# Altium PCB fpga.PcbDoc (part 10 of 11)
Units mm, origin at the board's own origin, x right, y up, seen from the top; angles counter-clockwise.
Board outline 210 x 210 mm, 2 copper layers (Top Layer, Bottom Layer), stack 1.591 mm thick; 639 components, 1839 nets, 4759 pads, 4016 vias.
Unrouted connection lines stored in the file: 10.
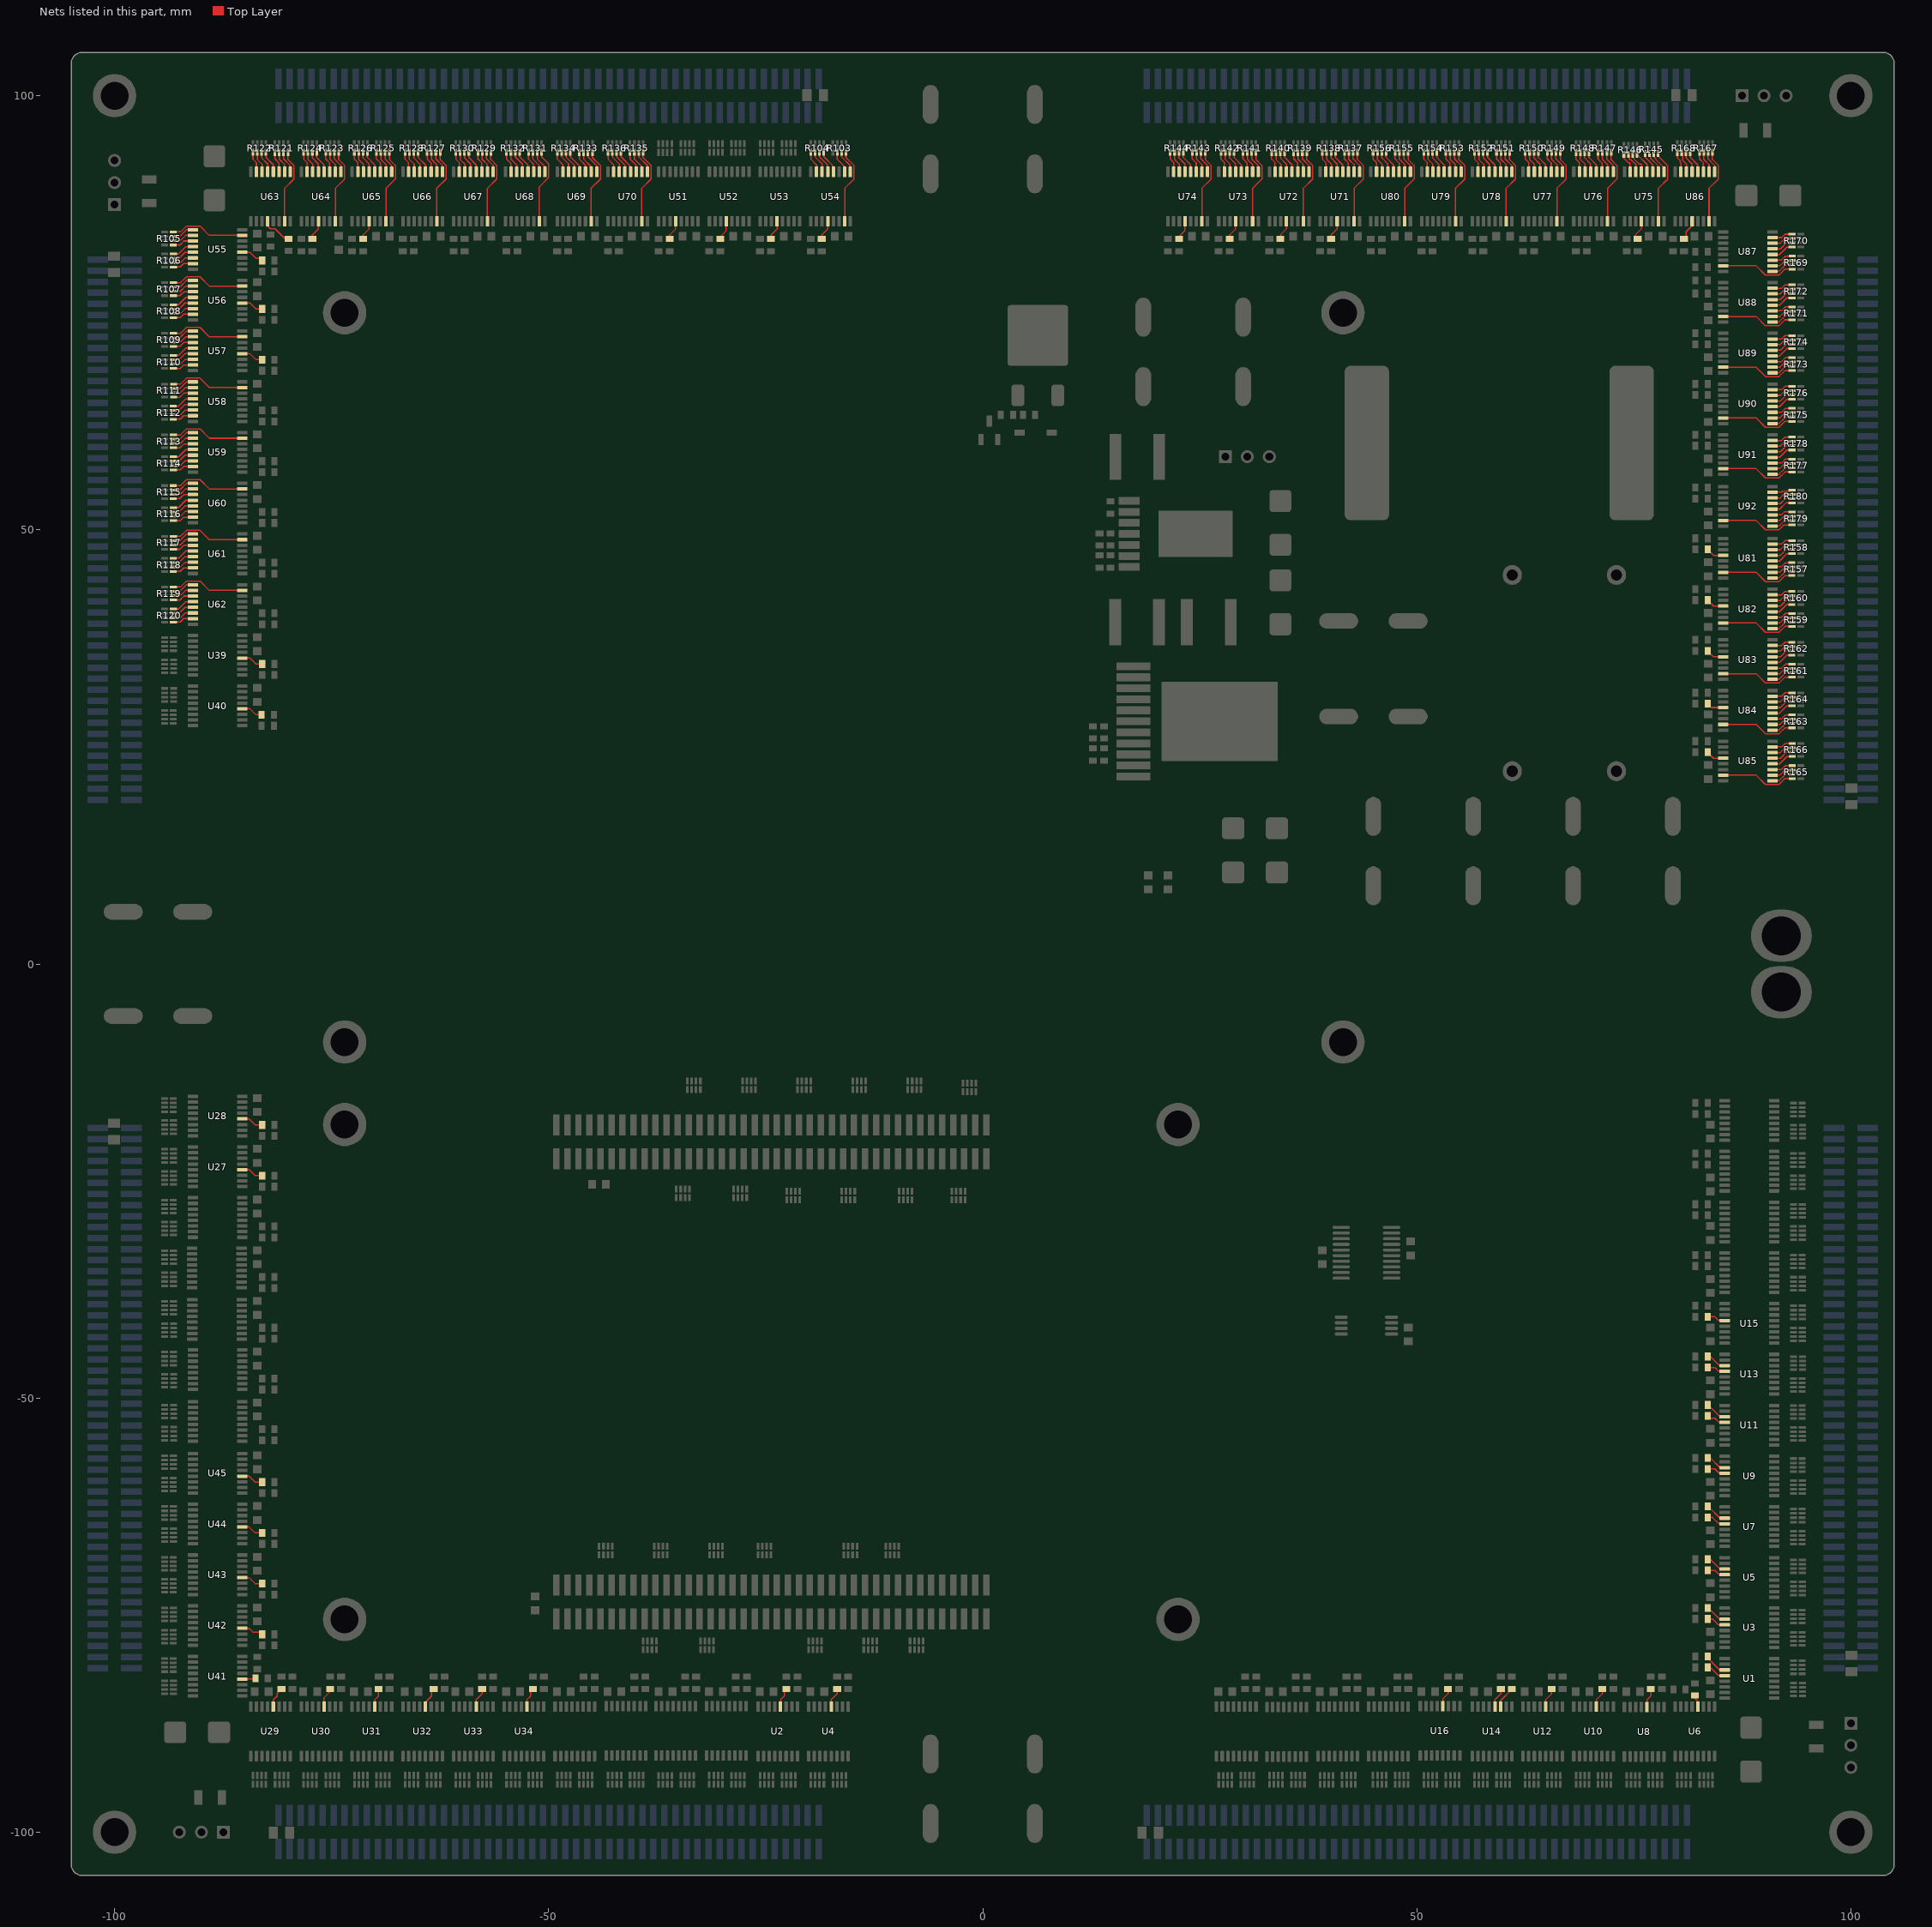
[diagram p10: the nets of this part, all layers, seen from the top]

## Via types
v1: diameter 0.6, hole 0.3, Top Layer to Bottom Layer, tented both sides, 3924 vias
v2: diameter 0.8, hole 0.4, Top Layer to Bottom Layer, tented both sides, 89 vias
v3: diameter 0.6, hole 0.3, Top Layer to Bottom Layer, 3 vias

## Nets (pads, with @x,y where several pads share a name; then routed paths per layer and width w, separated by ;. In a path a pad name is that pad's centre, name@x,y a point inside that pad or via, vN(x,y) a via of type N, cw(c..) or ccw(c..) an arc to the next point about the centre after c; other vN are vias at no path point) (continued)
NetR103_2: R103.2 U54.2 | length 2.6
  Top Layer w0.15: R103.2@-16.764,93.464 -16.764,92.71 -15.901,91.847 U54.2@-15.901,91.242
NetR103_3: R103.3 U54.1 | length 2.6
  Top Layer w0.15: R103.3@-16.256,93.472 -16.256,92.964 -15.24,91.948 U54.1@-15.24,91.253
NetR103_4: R103.4 U54.15 | length 8.8
  Top Layer w0.15: U54.15@-15.901,85.542 -15.901,89.342 -14.826,90.417 -14.826,91.958 -15.756,92.888 R103.4@-15.756,93.472
NetR104_1: R104.1 U54.7 | length 2.5
  Top Layer w0.15: R104.1@-19.796,93.488 -19.796,92.694 -19.151,92.049 U54.7@-19.151,91.242
NetR104_2: R104.2 U54.6 | length 2.6
  Top Layer w0.15: R104.2@-19.304,93.48 -19.304,92.964 -18.501,92.161 U54.6@-18.501,91.242
NetR104_3: R104.3 U54.5 | length 2.6
  Top Layer w0.15: R104.3@-18.796,93.488 -18.796,92.964 -17.851,92.019 U54.5@-17.851,91.242
NetR104_4: R104.4 U54.4 | length 2.7
  Top Layer w0.15: R104.4@-18.296,93.488 -18.296,92.972 -17.201,91.877 U54.4@-17.201,91.242
NetR105_1: R105.1 U55.3 | length 2.4
  Top Layer w0.15: R105.1@-93.218,82.812 -92.478,82.812 -92.019,83.271 U55.3@-90.988,83.271
NetR105_2: R105.2 U55.2 | length 2.5
  Top Layer w0.15: R105.2@-93.218,83.312 -92.426,83.312 -91.817,83.921 U55.2@-90.988,83.921
NetR105_3: R105.3 U55.1 | length 2.5
  Top Layer w0.15: R105.3@-93.218,83.812 -92.478,83.812 -91.719,84.571 U55.1@-90.988,84.571
NetR105_4: R105.4 U55.15 | length 8.7
  Top Layer w0.15: R105.4@-93.218,84.312 -92.402,84.312 -91.718,84.996 -90.163,84.996 -89.088,83.921 U55.15@-85.288,83.921
NetR106_1: R106.1 U55.7 | length 2.4
  Top Layer w0.15: R106.1@-93.226,80.276 -92.444,80.276 -92.049,80.671 U55.7@-90.988,80.671
NetR106_2: R106.2 U55.6 | length 2.5
  Top Layer w0.15: R106.2@-93.226,80.776 -92.413,80.776 -91.868,81.321 U55.6@-90.988,81.321
NetR106_3: R106.3 U55.5 | length 2.5
  Top Layer w0.15: R106.3@-93.226,81.276 -92.589,81.276 -91.894,81.971 U55.5@-90.988,81.971
NetR106_4: R106.4 U55.4 | length 2.6
  Top Layer w0.15: R106.4@-93.226,81.776 -92.637,81.776 -91.792,82.621 U55.4@-90.988,82.621
NetR107_1: R107.1 U56.3 | length 2.4
  Top Layer w0.15: R107.1@-93.218,76.97 -92.478,76.97 -92.019,77.429 U56.3@-90.988,77.429
NetR107_2: R107.2 U56.2 | length 2.5
  Top Layer w0.15: R107.2@-93.218,77.47 -92.426,77.47 -91.817,78.079 U56.2@-90.988,78.079
NetR107_3: R107.3 U56.1 | length 2.5
  Top Layer w0.15: R107.3@-93.218,77.97 -92.478,77.97 -91.719,78.729 U56.1@-90.988,78.729
NetR107_4: R107.4 U56.15 | length 8.7
  Top Layer w0.15: R107.4@-93.218,78.47 -92.402,78.47 -91.718,79.154 -90.163,79.154 -89.088,78.079 U56.15@-85.288,78.079
NetR108_1: R108.1 U56.7 | length 2.4
  Top Layer w0.15: R108.1@-93.226,74.434 -92.444,74.434 -92.049,74.829 U56.7@-90.988,74.829
NetR108_2: R108.2 U56.6 | length 2.5
  Top Layer w0.15: R108.2@-93.226,74.934 -92.413,74.934 -91.868,75.479 U56.6@-90.988,75.479
NetR108_3: R108.3 U56.5 | length 2.5
  Top Layer w0.15: R108.3@-93.226,75.434 -92.589,75.434 -91.894,76.129 U56.5@-90.988,76.129
NetR108_4: R108.4 U56.4 | length 2.6
  Top Layer w0.15: R108.4@-93.226,75.934 -92.637,75.934 -91.792,76.779 U56.4@-90.988,76.779
NetR109_1: R109.1 U57.3 | length 2.4
  Top Layer w0.15: R109.1@-93.218,71.128 -92.478,71.128 -92.019,71.587 U57.3@-90.988,71.587
NetR109_2: R109.2 U57.2 | length 2.5
  Top Layer w0.15: R109.2@-93.218,71.628 -92.426,71.628 -91.817,72.237 U57.2@-90.988,72.237
NetR109_3: R109.3 U57.1 | length 2.5
  Top Layer w0.15: R109.3@-93.218,72.128 -92.478,72.128 -91.719,72.887 U57.1@-90.988,72.887
NetR109_4: R109.4 U57.15 | length 8.7
  Top Layer w0.15: R109.4@-93.218,72.628 -92.402,72.628 -91.718,73.312 -90.163,73.312 -89.088,72.237 U57.15@-85.288,72.237
NetR110_1: R110.1 U57.7 | length 2.4
  Top Layer w0.15: R110.1@-93.226,68.592 -92.444,68.592 -92.049,68.987 U57.7@-90.988,68.987
NetR110_2: R110.2 U57.6 | length 2.5
  Top Layer w0.15: R110.2@-93.226,69.092 -92.413,69.092 -91.868,69.637 U57.6@-90.988,69.637
NetR110_3: R110.3 U57.5 | length 2.5
  Top Layer w0.15: R110.3@-93.226,69.592 -92.589,69.592 -91.894,70.287 U57.5@-90.988,70.287
NetR110_4: R110.4 U57.4 | length 2.6
  Top Layer w0.15: R110.4@-93.226,70.092 -92.637,70.092 -91.792,70.937 U57.4@-90.988,70.937
NetR111_1: R111.1 U58.3 | length 2.4
  Top Layer w0.15: R111.1@-93.218,65.286 -92.478,65.286 -92.019,65.745 U58.3@-90.988,65.745
NetR111_2: R111.2 U58.2 | length 2.5
  Top Layer w0.15: R111.2@-93.218,65.786 -92.426,65.786 -91.817,66.395 U58.2@-90.988,66.395
NetR111_3: R111.3 U58.1 | length 2.5
  Top Layer w0.15: R111.3@-93.218,66.286 -92.478,66.286 -91.719,67.045 U58.1@-90.988,67.045
NetR111_4: R111.4 U58.15 | length 8.7
  Top Layer w0.15: R111.4@-93.218,66.786 -92.402,66.786 -91.718,67.47 -90.163,67.47 -89.088,66.395 U58.15@-85.288,66.395
NetR112_1: R112.1 U58.7 | length 2.4
  Top Layer w0.15: R112.1@-93.226,62.75 -92.444,62.75 -92.049,63.145 U58.7@-90.988,63.145
NetR112_2: R112.2 U58.6 | length 2.5
  Top Layer w0.15: R112.2@-93.226,63.25 -92.413,63.25 -91.868,63.795 U58.6@-90.988,63.795
NetR112_3: R112.3 U58.5 | length 2.5
  Top Layer w0.15: R112.3@-93.226,63.75 -92.589,63.75 -91.894,64.445 U58.5@-90.988,64.445
NetR112_4: R112.4 U58.4 | length 2.6
  Top Layer w0.15: R112.4@-93.234,64.246 -93.23,64.25 -92.637,64.25 -91.792,65.095 U58.4@-90.988,65.095
NetR113_1: R113.1 U59.3 | length 2.4
  Top Layer w0.15: R113.1@-93.218,59.444 -92.478,59.444 -92.019,59.903 U59.3@-90.988,59.903
NetR113_2: R113.2 U59.2 | length 2.5
  Top Layer w0.15: R113.2@-93.218,59.944 -92.426,59.944 -91.817,60.553 U59.2@-90.988,60.553
NetR113_3: R113.3 U59.1 | length 2.5
  Top Layer w0.15: R113.3@-93.218,60.444 -92.478,60.444 -91.719,61.203 U59.1@-90.988,61.203
NetR113_4: R113.4 U59.15 | length 8.7
  Top Layer w0.15: R113.4@-93.218,60.944 -92.402,60.944 -91.718,61.628 -90.163,61.628 -89.088,60.553 U59.15@-85.288,60.553
NetR114_1: R114.1 U59.7 | length 2.4
  Top Layer w0.15: R114.1@-93.226,56.908 -92.444,56.908 -92.049,57.303 U59.7@-90.988,57.303
NetR114_2: R114.2 U59.6 | length 2.5
  Top Layer w0.15: R114.2@-93.226,57.408 -92.413,57.408 -91.868,57.953 U59.6@-90.988,57.953
NetR114_3: R114.3 U59.5 | length 2.5
  Top Layer w0.15: R114.3@-93.226,57.908 -92.589,57.908 -91.894,58.603 U59.5@-90.988,58.603
NetR114_4: R114.4 U59.4 | length 2.6
  Top Layer w0.15: R114.4@-93.226,58.408 -92.637,58.408 -91.792,59.253 U59.4@-90.988,59.253
NetR115_1: R115.1 U60.3 | length 2.4
  Top Layer w0.15: R115.1@-93.218,53.602 -92.478,53.602 -92.019,54.061 U60.3@-90.988,54.061
NetR115_2: R115.2 U60.2 | length 2.5
  Top Layer w0.15: R115.2@-93.218,54.102 -92.426,54.102 -91.817,54.711 U60.2@-90.988,54.711
NetR115_3: R115.3 U60.1 | length 2.5
  Top Layer w0.15: R115.3@-93.218,54.602 -92.478,54.602 -91.719,55.361 U60.1@-90.988,55.361
NetR115_4: R115.4 U60.15 | length 8.7
  Top Layer w0.15: R115.4@-93.218,55.102 -92.402,55.102 -91.718,55.786 -90.163,55.786 -89.088,54.711 U60.15@-85.288,54.711
NetR116_1: R116.1 U60.7 | length 2.4
  Top Layer w0.15: R116.1@-93.226,51.066 -92.444,51.066 -92.049,51.461 U60.7@-90.988,51.461
NetR116_2: R116.2 U60.6 | length 2.5
  Top Layer w0.15: R116.2@-93.226,51.566 -92.413,51.566 -91.868,52.111 U60.6@-90.988,52.111
NetR116_3: R116.3 U60.5 | length 2.5
  Top Layer w0.15: R116.3@-93.226,52.066 -92.589,52.066 -91.894,52.761 U60.5@-90.988,52.761
NetR116_4: R116.4 U60.4 | length 2.6
  Top Layer w0.15: R116.4@-93.226,52.566 -92.637,52.566 -91.792,53.411 U60.4@-90.988,53.411
NetR117_1: R117.1 U61.3 | length 2.4
  Top Layer w0.15: R117.1@-93.218,47.76 -92.478,47.76 -92.019,48.219 U61.3@-90.988,48.219
NetR117_2: R117.2 U61.2 | length 2.5
  Top Layer w0.15: R117.2@-93.218,48.26 -92.426,48.26 -91.817,48.869 U61.2@-90.988,48.869
NetR117_3: R117.3 U61.1 | length 2.5
  Top Layer w0.15: R117.3@-93.218,48.76 -92.478,48.76 -91.719,49.519 U61.1@-90.988,49.519
NetR117_4: R117.4 U61.15 | length 8.7
  Top Layer w0.15: R117.4@-93.218,49.26 -92.402,49.26 -91.718,49.944 -90.163,49.944 -89.088,48.869 U61.15@-85.288,48.869
NetR118_1: R118.1 U61.7 | length 2.4
  Top Layer w0.15: R118.1@-93.226,45.224 -92.444,45.224 -92.049,45.619 U61.7@-90.988,45.619
NetR118_2: R118.2 U61.6 | length 2.5
  Top Layer w0.15: R118.2@-93.226,45.724 -92.413,45.724 -91.868,46.269 U61.6@-90.988,46.269
NetR118_3: R118.3 U61.5 | length 2.5
  Top Layer w0.15: R118.3@-93.226,46.224 -92.589,46.224 -91.894,46.919 U61.5@-90.988,46.919
NetR118_4: R118.4 U61.4 | length 2.6
  Top Layer w0.15: R118.4@-93.234,46.712 -93.222,46.724 -92.637,46.724 -91.792,47.569 U61.4@-90.988,47.569
NetR119_1: R119.1 U62.3 | length 2.4
  Top Layer w0.15: R119.1@-93.218,41.918 -92.478,41.918 -92.019,42.377 U62.3@-90.988,42.377
NetR119_2: R119.2 U62.2 | length 2.5
  Top Layer w0.15: R119.2@-93.218,42.418 -92.426,42.418 -91.817,43.027 U62.2@-90.988,43.027
NetR119_3: R119.3 U62.1 | length 2.5
  Top Layer w0.15: R119.3@-93.218,42.918 -92.478,42.918 -91.719,43.677 U62.1@-90.988,43.677
NetR119_4: R119.4 U62.15 | length 8.7
  Top Layer w0.15: R119.4@-93.218,43.418 -92.402,43.418 -91.718,44.102 -90.163,44.102 -89.088,43.027 U62.15@-85.288,43.027
NetR120_1: R120.1 U62.7 | length 2.4
  Top Layer w0.15: R120.1@-93.226,39.382 -92.444,39.382 -92.049,39.777 U62.7@-90.988,39.777
NetR120_2: R120.2 U62.6 | length 2.5
  Top Layer w0.15: R120.2@-93.226,39.882 -92.413,39.882 -91.868,40.427 U62.6@-90.988,40.427
NetR120_3: R120.3 U62.5 | length 2.5
  Top Layer w0.15: R120.3@-93.226,40.382 -92.589,40.382 -91.894,41.077 U62.5@-90.988,41.077
NetR120_4: R120.4 U62.4 | length 2.6
  Top Layer w0.15: R120.4@-93.222,40.882 -92.637,40.882 -91.792,41.727 U62.4@-90.988,41.727
NetR121_1: R121.1 U63.3 | length 2.4
  Top Layer w0.15: R121.1@-81.526,93.472 -81.526,92.732 -81.067,92.273 U63.3@-81.067,91.242
NetR121_2: R121.2 U63.2 | length 2.5
  Top Layer w0.15: R121.2@-81.026,93.472 -81.026,92.68 -80.417,92.071 U63.2@-80.417,91.242
NetR121_3: R121.3 U63.1 | length 2.5
  Top Layer w0.15: R121.3@-80.526,93.472 -80.526,92.732 -79.767,91.973 U63.1@-79.767,91.242
NetR121_4: R121.4 U63.15 | length 8.7
  Top Layer w0.15: U63.15@-80.417,85.542 -80.417,89.342 -79.342,90.417 -79.342,91.972 -80.026,92.656 R121.4@-80.026,93.472
NetR122_1: R122.1 U63.7 | length 2.4
  Top Layer w0.15: R122.1@-84.062,93.48 -84.062,92.698 -83.667,92.303 U63.7@-83.667,91.242
NetR122_2: R122.2 U63.6 | length 2.5
  Top Layer w0.15: R122.2@-83.562,93.48 -83.562,92.667 -83.017,92.122 U63.6@-83.017,91.242
NetR122_3: R122.3 U63.5 | length 2.5
  Top Layer w0.15: R122.3@-83.062,93.48 -83.062,92.843 -82.367,92.148 U63.5@-82.367,91.242
NetR122_4: R122.4 U63.4 | length 2.6
  Top Layer w0.15: R122.4@-82.562,93.48 -82.562,92.891 -81.717,92.046 U63.4@-81.717,91.242
NetR123_1: R123.1 U64.3 | length 2.4
  Top Layer w0.15: R123.1@-75.684,93.472 -75.684,92.732 -75.225,92.273 U64.3@-75.225,91.242
NetR123_2: R123.2 U64.2 | length 2.5
  Top Layer w0.15: R123.2@-75.184,93.472 -75.184,92.68 -74.575,92.071 U64.2@-74.575,91.242
NetR123_3: R123.3 U64.1 | length 2.5
  Top Layer w0.15: R123.3@-74.684,93.472 -74.684,92.732 -73.925,91.973 U64.1@-73.925,91.242
NetR123_4: R123.4 U64.15 | length 8.7
  Top Layer w0.15: U64.15@-74.575,85.542 -74.575,89.342 -73.5,90.417 -73.5,91.972 -74.184,92.656 R123.4@-74.184,93.472
NetR124_1: R124.1 U64.7 | length 2.4
  Top Layer w0.15: R124.1@-78.22,93.48 -78.22,92.698 -77.825,92.303 U64.7@-77.825,91.242
NetR124_2: R124.2 U64.6 | length 2.5
  Top Layer w0.15: R124.2@-77.72,93.48 -77.72,92.667 -77.175,92.122 U64.6@-77.175,91.242
NetR124_3: R124.3 U64.5 | length 2.5
  Top Layer w0.15: R124.3@-77.22,93.48 -77.22,92.843 -76.525,92.148 U64.5@-76.525,91.242
NetR124_4: R124.4 U64.4 | length 2.6
  Top Layer w0.15: R124.4@-76.72,93.476 -76.72,92.891 -75.875,92.046 U64.4@-75.875,91.242
NetR125_1: R125.1 U65.3 | length 2.4
  Top Layer w0.15: R125.1@-69.842,93.472 -69.842,92.732 -69.383,92.273 U65.3@-69.383,91.242
NetR125_2: R125.2 U65.2 | length 2.5
  Top Layer w0.15: R125.2@-69.342,93.472 -69.342,92.68 -68.733,92.071 U65.2@-68.733,91.242
NetR125_3: R125.3 U65.1 | length 2.5
  Top Layer w0.15: R125.3@-68.842,93.472 -68.842,92.732 -68.083,91.973 U65.1@-68.083,91.242
NetR125_4: R125.4 U65.15 | length 8.7
  Top Layer w0.15: U65.15@-68.733,85.542 -68.733,89.342 -67.658,90.417 -67.658,91.972 -68.342,92.656 R125.4@-68.342,93.472
NetR126_1: R126.1 U65.7 | length 2.4
  Top Layer w0.15: R126.1@-72.378,93.48 -72.378,92.698 -71.983,92.303 U65.7@-71.983,91.242
NetR126_2: R126.2 U65.6 | length 2.5
  Top Layer w0.15: R126.2@-71.878,93.48 -71.878,92.667 -71.333,92.122 U65.6@-71.333,91.242
NetR126_3: R126.3 U65.5 | length 2.5
  Top Layer w0.15: R126.3@-71.378,93.48 -71.378,92.843 -70.683,92.148 U65.5@-70.683,91.242
NetR126_4: R126.4 U65.4 | length 2.6
  Top Layer w0.15: R126.4@-70.878,93.476 -70.878,92.891 -70.033,92.046 U65.4@-70.033,91.242
NetR127_1: R127.1 U66.3 | length 2.4
  Top Layer w0.15: R127.1@-64,93.472 -64,92.732 -63.541,92.273 U66.3@-63.541,91.242
NetR127_2: R127.2 U66.2 | length 2.5
  Top Layer w0.15: R127.2@-63.5,93.472 -63.5,92.68 -62.891,92.071 U66.2@-62.891,91.242
NetR127_3: R127.3 U66.1 | length 2.5
  Top Layer w0.15: R127.3@-63,93.472 -63,92.732 -62.241,91.973 U66.1@-62.241,91.242
NetR127_4: R127.4 U66.15 | length 8.7
  Top Layer w0.15: U66.15@-62.891,85.542 -62.891,89.342 -61.816,90.417 -61.816,91.972 -62.5,92.656 R127.4@-62.5,93.472
NetR128_1: R128.1 U66.7 | length 2.4
  Top Layer w0.15: R128.1@-66.536,93.48 -66.536,92.698 -66.141,92.303 U66.7@-66.141,91.242
NetR128_2: R128.2 U66.6 | length 2.5
  Top Layer w0.15: R128.2@-66.036,93.48 -66.036,92.667 -65.491,92.122 U66.6@-65.491,91.242
NetR128_3: R128.3 U66.5 | length 2.5
  Top Layer w0.15: R128.3@-65.536,93.48 -65.536,92.843 -64.841,92.148 U66.5@-64.841,91.242
NetR128_4: R128.4 U66.4 | length 2.6
  Top Layer w0.15: R128.4@-65.036,93.476 -65.036,92.891 -64.191,92.046 U66.4@-64.191,91.242
NetR129_1: R129.1 U67.3 | length 2.4
  Top Layer w0.15: R129.1@-58.158,93.472 -58.158,92.732 -57.699,92.273 U67.3@-57.699,91.242
NetR129_2: R129.2 U67.2 | length 2.5
  Top Layer w0.15: R129.2@-57.658,93.472 -57.658,92.68 -57.049,92.071 U67.2@-57.049,91.242
NetR129_3: R129.3 U67.1 | length 2.5
  Top Layer w0.15: R129.3@-57.158,93.472 -57.158,92.732 -56.399,91.973 U67.1@-56.399,91.242
NetR129_4: R129.4 U67.15 | length 8.7
  Top Layer w0.15: U67.15@-57.049,85.542 -57.049,89.342 -55.974,90.417 -55.974,91.972 -56.658,92.656 R129.4@-56.658,93.472
NetR130_1: R130.1 U67.7 | length 2.4
  Top Layer w0.15: R130.1@-60.694,93.48 -60.694,92.698 -60.299,92.303 U67.7@-60.299,91.242
NetR130_2: R130.2 U67.6 | length 2.5
  Top Layer w0.15: R130.2@-60.194,93.48 -60.194,92.667 -59.649,92.122 U67.6@-59.649,91.242
NetR130_3: R130.3 U67.5 | length 2.5
  Top Layer w0.15: R130.3@-59.694,93.48 -59.694,92.843 -58.999,92.148 U67.5@-58.999,91.242
NetR130_4: R130.4 U67.4 | length 2.6
  Top Layer w0.15: R130.4@-59.194,93.476 -59.194,92.891 -58.349,92.046 U67.4@-58.349,91.242
NetR131_1: R131.1 U68.3 | length 2.5
  Top Layer w0.15: R131.1@-52.312,93.48 -52.312,92.698 -51.73,92.116 U68.3@-51.73,91.242
NetR131_2: R131.2 U68.2 | length 2.5
  Top Layer w0.15: R131.2@-51.812,93.48 -51.816,93.476 -51.816,92.71 -51.08,91.974 U68.2@-51.08,91.242
NetR131_3: R131.3 U68.1 | length 2.6
  Top Layer w0.15: R131.3@-51.312,93.48 -51.312,92.714 -50.43,91.832 U68.1@-50.43,91.242
NetR131_4: R131.4 U68.15 | length 8.7
  Top Layer w0.15: U68.15@-51.08,85.542 -51.08,89.503 -50.005,90.578 -50.005,92.169 -50.812,92.976 R131.4@-50.812,93.48
NetR132_1: R132.1 U68.7 | length 2.5
  Top Layer w0.15: R132.1@-54.852,93.48 -54.852,92.698 -54.33,92.176 U68.7@-54.33,91.242
NetR132_2: R132.2 U68.6 | length 2.5
  Top Layer w0.15: R132.2@-54.352,93.48 -54.356,93.476 -54.356,92.71 -53.68,92.034 U68.6@-53.68,91.242
NetR132_3: R132.3 U68.5 | length 2.6
  Top Layer w0.15: R132.3@-53.852,93.48 -53.852,92.968 -53.03,92.146 U68.5@-53.03,91.242
NetR132_4: R132.4 U68.4 | length 2.6
  Top Layer w0.15: R132.4@-53.352,93.48 -53.352,92.976 -52.38,92.004 U68.4@-52.38,91.242
NetR133_1: R133.1 U69.3 | length 2.5
  Top Layer w0.15: R133.1@-46.466,93.472 -46.466,92.694 -45.761,91.989 U69.3@-45.761,91.242
NetR133_2: R133.2 U69.2 | length 2.6
  Top Layer w0.15: R133.2@-45.966,93.472 -45.974,93.464 -45.974,92.71 -45.111,91.847 U69.2@-45.111,91.242
NetR133_3: R133.3 U69.1 | length 2.7
  Top Layer w0.15: R133.3@-45.466,93.472 -45.466,92.964 -44.45,91.948 -44.45,91.253 U69.1@-44.461,91.242
NetR133_4: R133.4 U69.15 | length 8.8
  Top Layer w0.15: U69.15@-45.111,85.542 -45.111,89.342 -44.036,90.417 -44.036,91.958 -44.966,92.888 R133.4@-44.966,93.472
NetR134_1: R134.1 U69.7 | length 2.5
  Top Layer w0.15: R134.1@-49.006,93.488 -49.006,92.694 -48.361,92.049 U69.7@-48.361,91.242
NetR134_2: R134.2 U69.6 | length 2.6
  Top Layer w0.15: R134.2@-48.506,93.488 -48.514,93.48 -48.514,92.964 -47.711,92.161 U69.6@-47.711,91.242
NetR134_3: R134.3 U69.5 | length 2.6
  Top Layer w0.15: R134.3@-48.006,93.488 -48.006,92.964 -47.061,92.019 U69.5@-47.061,91.242
NetR134_4: R134.4 U69.4 | length 2.7
  Top Layer w0.15: R134.4@-47.506,93.488 -47.506,92.972 -46.411,91.877 U69.4@-46.411,91.242
NetR135_1: R135.1 U70.3 | length 2.5
  Top Layer w0.15: R135.1@-40.624,93.472 -40.624,92.694 -39.919,91.989 U70.3@-39.919,91.242
NetR135_2: R135.2 U70.2 | length 2.6
  Top Layer w0.15: R135.2@-40.132,93.464 -40.132,92.71 -39.269,91.847 U70.2@-39.269,91.242
NetR135_3: R135.3 U70.1 | length 2.6
  Top Layer w0.15: R135.3@-39.624,93.472 -39.624,92.964 -38.608,91.948 U70.1@-38.608,91.253
NetR135_4: R135.4 U70.15 | length 8.8
  Top Layer w0.15: U70.15@-39.269,85.542 -39.269,89.342 -38.194,90.417 -38.194,91.958 -39.124,92.888 R135.4@-39.124,93.472
NetR136_1: R136.1 U70.7 | length 2.5
  Top Layer w0.15: R136.1@-43.164,93.488 -43.164,92.694 -42.519,92.049 U70.7@-42.519,91.242
NetR136_2: R136.2 U70.6 | length 2.6
  Top Layer w0.15: R136.2@-42.672,93.48 -42.672,92.964 -41.869,92.161 U70.6@-41.869,91.242
NetR136_3: R136.3 U70.5 | length 2.6
  Top Layer w0.15: R136.3@-42.164,93.488 -42.164,92.964 -41.219,92.019 U70.5@-41.219,91.242
NetR136_4: R136.4 U70.4 | length 2.7
  Top Layer w0.15: R136.4@-41.664,93.488 -41.664,92.972 -40.569,91.877 U70.4@-40.569,91.242
NetR137_1: R137.1 U71.3 | length 2.4
  Top Layer w0.15: R137.1@41.664,93.472 41.664,92.732 42.123,92.273 U71.3@42.123,91.242
NetR137_2: R137.2 U71.2 | length 2.5
  Top Layer w0.15: R137.2@42.164,93.472 42.164,92.68 42.773,92.071 U71.2@42.773,91.242
NetR137_3: R137.3 U71.1 | length 2.5
  Top Layer w0.15: R137.3@42.664,93.472 42.664,92.732 43.423,91.973 U71.1@43.423,91.242
NetR137_4: R137.4 U71.15 | length 8.7
  Top Layer w0.15: U71.15@42.773,85.542 42.773,89.342 43.848,90.417 43.848,91.972 43.164,92.656 R137.4@43.164,93.472
NetR138_1: R138.1 U71.7 | length 2.4
  Top Layer w0.15: R138.1@39.128,93.48 39.128,92.698 39.523,92.303 U71.7@39.523,91.242
NetR138_2: R138.2 U71.6 | length 2.5
  Top Layer w0.15: R138.2@39.628,93.48 39.628,92.667 40.173,92.122 U71.6@40.173,91.242
NetR138_3: R138.3 U71.5 | length 2.5
  Top Layer w0.15: R138.3@40.128,93.48 40.128,92.843 40.823,92.148 U71.5@40.823,91.242
NetR138_4: R138.4 U71.4 | length 2.6
  Top Layer w0.15: R138.4@40.628,93.476 40.628,92.891 41.473,92.046 U71.4@41.473,91.242
NetR139_1: R139.1 U72.3 | length 2.4
  Top Layer w0.15: R139.1@35.822,93.472 35.822,92.732 36.281,92.273 U72.3@36.281,91.242
NetR139_2: R139.2 U72.2 | length 2.5
  Top Layer w0.15: R139.2@36.322,93.472 36.322,92.68 36.931,92.071 U72.2@36.931,91.242
NetR139_3: R139.3 U72.1 | length 2.5
  Top Layer w0.15: R139.3@36.822,93.472 36.822,92.732 37.581,91.973 U72.1@37.581,91.242
NetR139_4: R139.4 U72.15 | length 8.7
  Top Layer w0.15: U72.15@36.931,85.542 36.931,89.342 38.006,90.417 38.006,91.972 37.322,92.656 R139.4@37.322,93.472
NetR140_1: R140.1 U72.7 | length 2.4
  Top Layer w0.15: R140.1@33.286,93.48 33.286,92.698 33.681,92.303 U72.7@33.681,91.242
NetR140_2: R140.2 U72.6 | length 2.5
  Top Layer w0.15: R140.2@33.786,93.48 33.786,92.667 34.331,92.122 U72.6@34.331,91.242
NetR140_3: R140.3 U72.5 | length 2.5
  Top Layer w0.15: R140.3@34.286,93.48 34.286,92.843 34.981,92.148 U72.5@34.981,91.242
NetR140_4: R140.4 U72.4 | length 2.6
  Top Layer w0.15: R140.4@34.786,93.476 34.786,92.891 35.631,92.046 U72.4@35.631,91.242